# KiCad board AMLDC-2044B.kicad_pcb (continued)
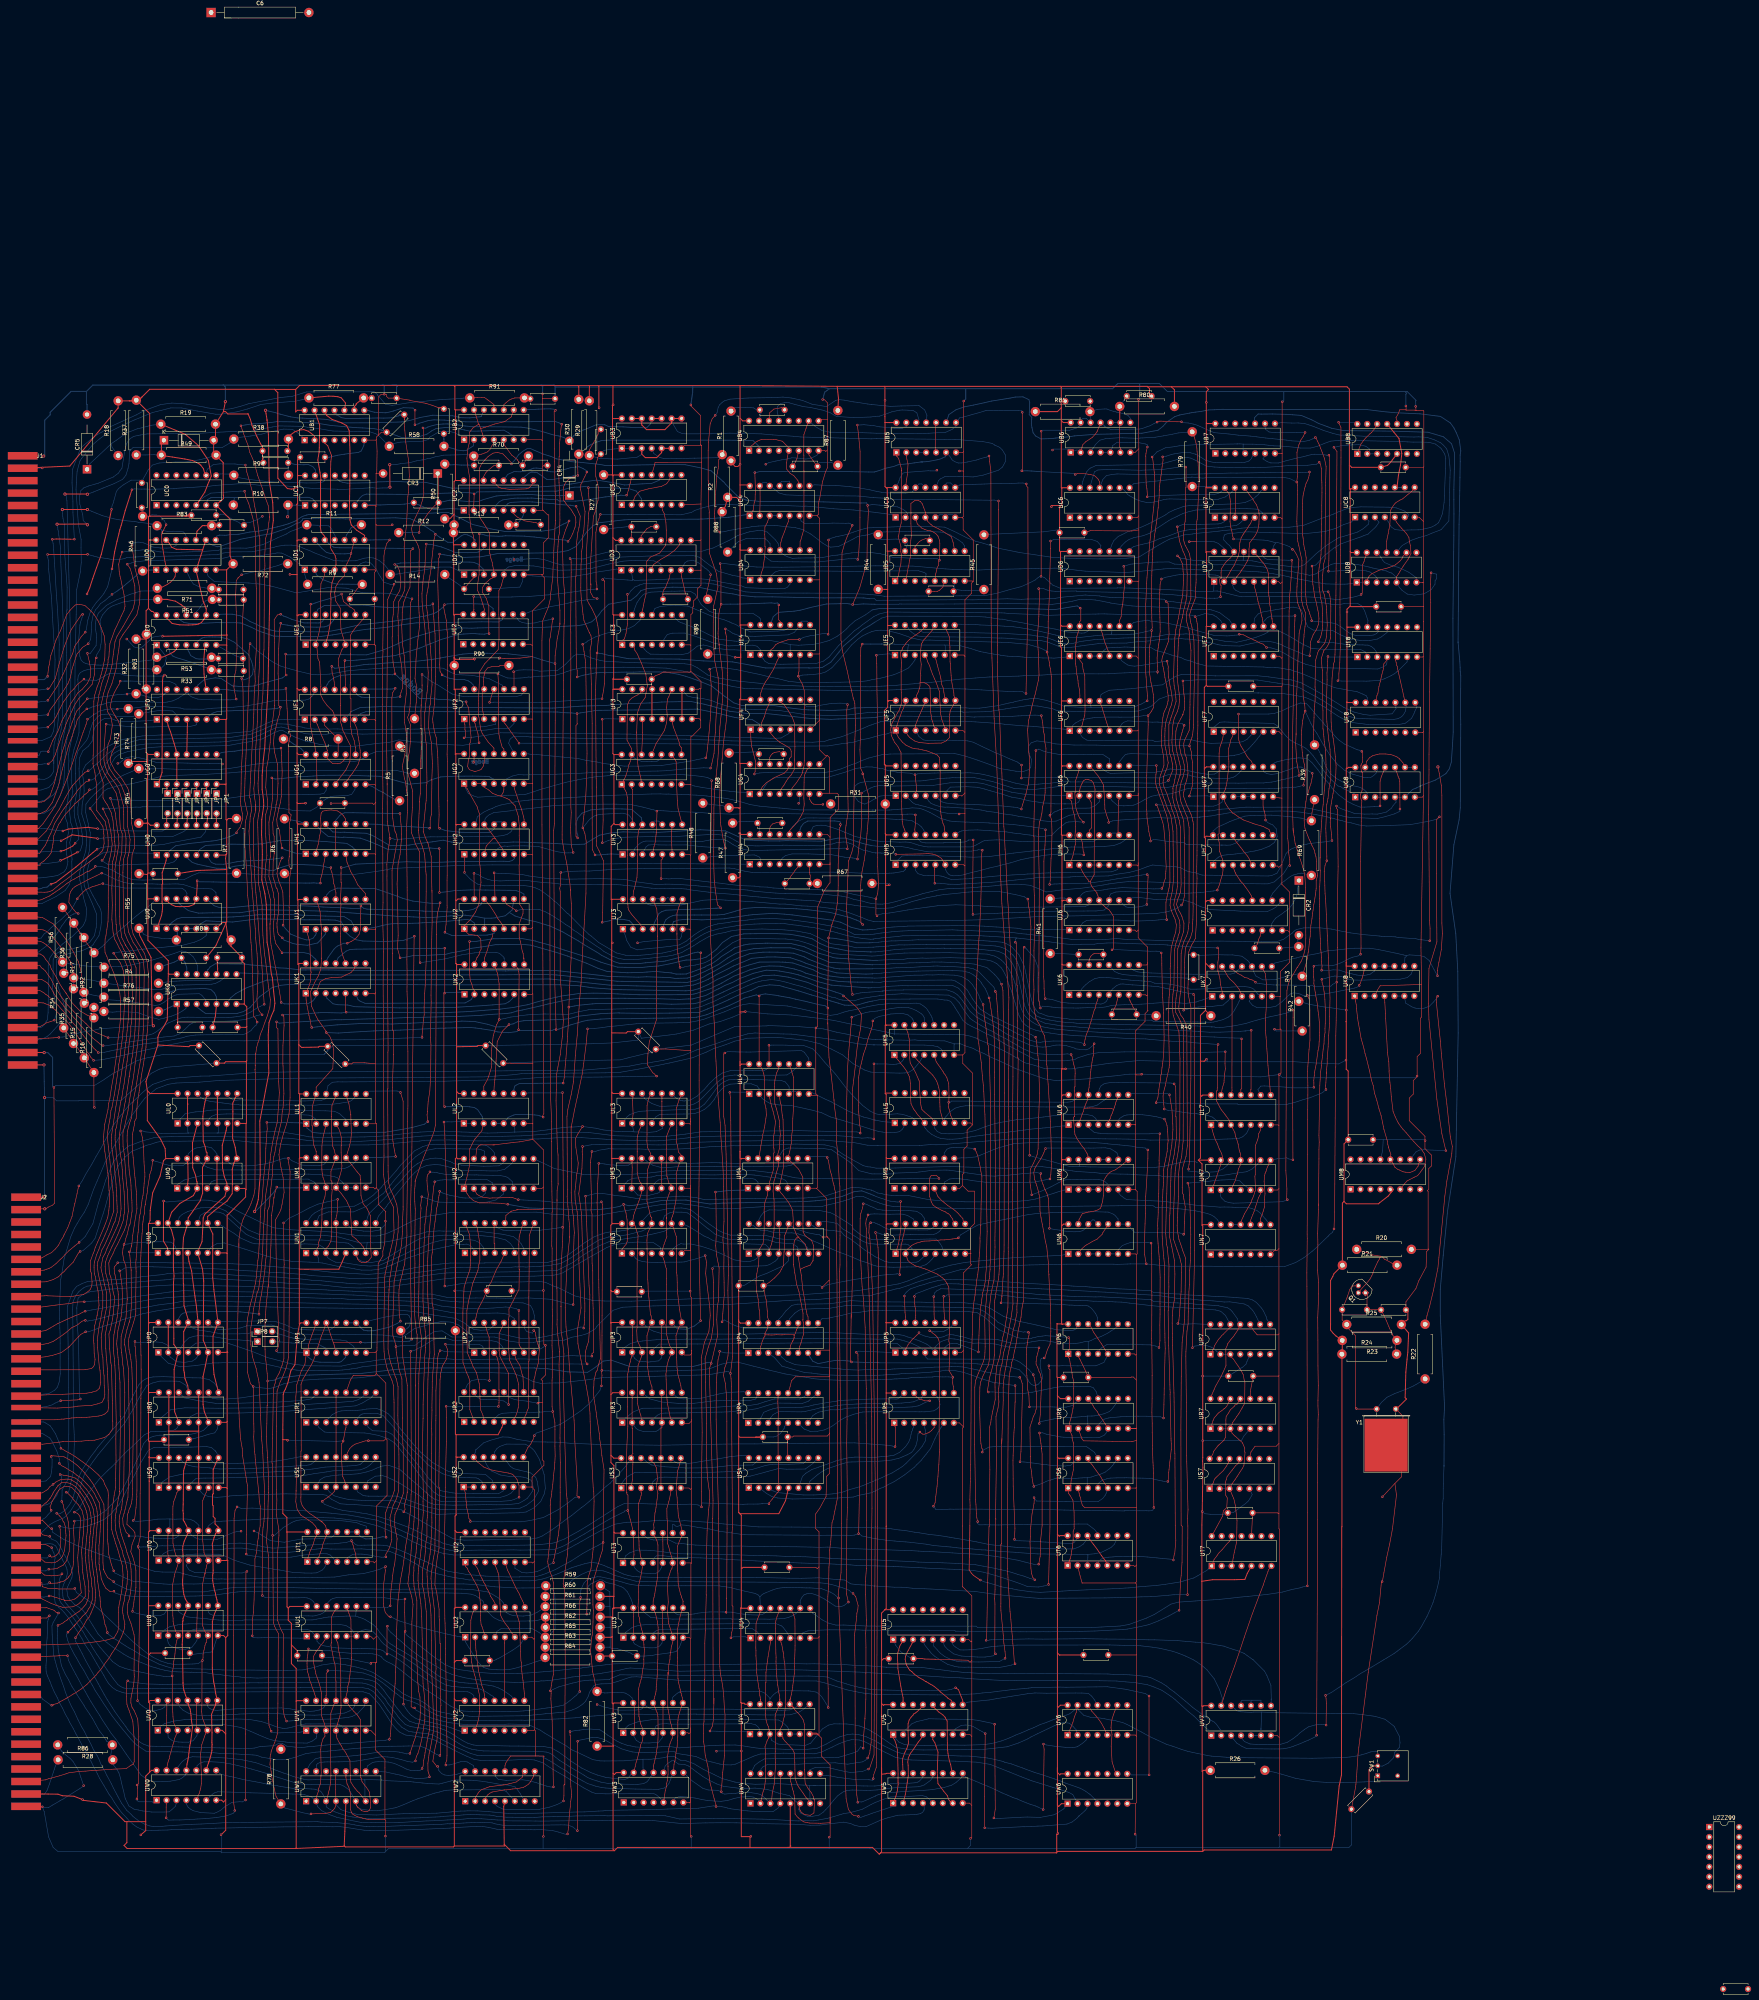
[diagram p0: board, top side]
## Routing (per net, layer and track width the routed paths; a pad name or vN(x,y) marks a point on that pad's centre or on a via; arc(x,y) is an arc through that point) (continued)
G6p1: length 110.8
  Top w0.15: v1(289.07,288.37) 289.29,290.25 289.48,292.19 289.85,294.08 290.15,298.4 290.11,300.55 290.15,304.05 290.08,304.92 v1(290.09,305.25) ; UG6.1 343.19,303.73 343.74,303.17 343.99,301.38 344.24,300.29 344.5,299.64 344.73,297.66 344.72,296.69 344.72,295.53 344.62,294.38 344.68,293.52 344.83,292.84 344.7,292.12 344.53,291.34 344.42,290.73 344.27,289.99 344.1,289.29 343.82,288.37 UH6.1
  Bottom w0.15: v1(290.09,305.25) 290.83,305.73 291.5,306.06 292.44,306.54 293.33,306.9 ; v1(289.07,288.37) 289.07,288.44 287.83,288.66 285.75,288.87 282.42,289.5 276.55,289.69 272.31,289.69 270.64,289.26 269.96,288.73 269.46,288.17 UH4.4 ; 293.33,306.9 293.43,306.94 ; 293.33,306.9 294.8,307.18 296.4,306.99 308.45,307.21 312.65,307.85 318.65,307.98 320.97,307.71 323.93,306.83 325.66,306.22 326.7,305.95 328.35,305.47 331.69,304.94 334.33,304.75 339.07,304.67 UG6.1
G6p3: length 10.5
  Top w0.15: UG6.3 348.27,303.77 348.76,302.87 348.87,296.36 348.26,295.75 UH6.12
G6p6: length 13.3
  Top w0.15: UH6.9 355.61,295.51 355.74,302.65 355.74,303.39 355.89,303.54 UG6.6
  Bottom w0.15: UH6.10 354.08,295.02 355.56,295.03 355.88,294.71 UH6.9
G6p8: length 71
  Top w0.15: v1(368.06,272.91) 367.97,273.65 367.92,274.06 367.86,274.78 367.87,277.38 368.13,278.74 368.47,280.23 368.62,280.87 368.83,281.84 368.89,282.57 368.81,294.36 368.52,297.01 368.08,299.43 367.45,301.12 366.87,302.92 366.47,303.89 365.79,305.9 365.53,306.53 365.28,307.53 365.23,308.26 365.3,309.99 365.52,311.26 v1(365.41,312.28)
  Bottom w0.15: v1(365.41,312.28) 359.33,312.34 359.12,312.56 358.73,312.17 UG6.8 ; v1(368.06,272.91) 366.68,272.91 366.03,272.84 364.31,272.68 360.19,272.55 359.63,272.61 358.86,272.56 355.78,272.79 355.12,272.8 349.28,272.8 348.77,272.78 347.56,272.69 346.55,272.05 346.11,271.36 UJ6.2
G6p9: length 41.8
  Bottom w0.15: 375.63,314.83 375.08,314.89 359.2,315.3 358.95,315.3 358.02,315.21 357.44,315.02 356.72,314.21 355.89,313.14 UG6.9 ; 375.63,314.83 376.08,314.78 ; 375.63,314.83 381.58,314.63 383.37,314.63 384.24,314.75 384.72,314.75 385.28,314.89 ; 385.28,314.89 386.48,315.09 388.15,315.82 389.02,316.57 390.03,317.69 390.56,318.26 391.17,319.03 391.32,319.25 391.69,319.68 392.07,320.19 UF7.6 ; 385.28,314.89 385.38,314.89
G6p10: length 160.3
  Top w0.15: v1(338.22,206.68) 338.45,207.85 338.6,210.44 338.6,211.76 338.58,213.26 338.5,216.61 338.32,221.28 338.17,224.19 337.76,230.92 337.59,232.99 337.48,235.28 337.4,235.9 337.22,240.28 337.07,241.42 336.84,243.21 336.06,244.72 335.74,245.77 334.66,247.59 334.21,249.83 334.01,251.73 334.14,255.05 334.08,257.5 334.16,262.57 334.14,264.92 334.31,270.76 334.23,270.85 334.23,279.06 334.16,280.68 334.16,294.07 334.11,294.12 334.11,295.98 334.14,297.97 334.4,308.86 334.46,311.66 v1(334.63,316.11)
  Bottom w0.15: UG6.10 353.45,313.98 352.55,314.56 351.78,315.06 349.31,315.06 348.77,315.05 346.8,315.03 341.61,315.06 340.77,315.06 338.57,315.47 337.66,315.66 336.48,315.97 335.4,316.47 335.21,316.34 v1(334.63,316.11) ; UM5.6 311.3,205.89 312.59,206.67 313.68,206.78 314.33,206.81 317.07,206.49 318.31,206.27 321.7,205.84 326.71,205.81 330.27,205.79 332.39,205.81 334.25,205.88 335.17,206.08 v1(338.22,206.68)
G6p11: length 35.9
  Bottom w0.15: UG7.12 UG7.13 381.69,311.02 381.03,310.52 380.28,310.08 378.74,310.02 377.74,310.13 375.49,310.53 374.93,310.63 372.61,311.19 371.04,311.31 369.79,311.29 368.94,311.4 367.47,310.92 365.72,310.68 364.9,310.51 359.94,310.44 354.81,310.31 353.75,310.26 353.17,310.43 352.68,310.67 352.3,310.92 351.67,311.4 351.09,312.17 UG6.11
G6p12: length 198.3
  Top w0.15: v1(437.75,299.17) 436.97,298.39 436.97,284.75 437.1,267.22 435.06,260.49 434.94,251.6 435.06,247.41 437.1,226.96 438.37,218.2 v1(439.38,213.92) ; 353.27,297.67 353.24,297.7 v1(353.24,297.73) 353.21,297.73 353.24,298.31 352.95,298.85 352.7,299.64 352.26,301.13 352.23,302.24 352.2,303.29 351.93,306.99 351.92,307.29 351.34,308.34 351.04,308.8 350.6,309.53 349.65,310.68 349.3,311.15 UG6.12
  Bottom w0.15: 376.39,299.08 376.63,299.12 ; 376.39,299.08 378.5,299.31 379.37,299.38 381.07,299.71 382.62,299.93 384.88,300.35 386.5,300.44 391.64,300.59 392.32,300.57 397.05,300.65 398.03,300.64 399.66,300.6 402.65,300.31 404.19,300.07 406.25,299.71 407.01,299.57 409.07,299.15 410.87,298.69 412.58,298.21 412.95,298.16 413.71,297.9 415.19,297.62 417.07,297.11 419.05,296.82 425.24,296.97 430.27,297.17 435.13,298.07 435.78,298.21 437.03,298.58 v1(437.75,299.17) 437.66,299.21 ; 376.39,299.08 372.99,298.85 370.22,298.95 369.53,298.84 368.61,298.87 367.66,298.88 365.58,298.98 363.57,298.83 361.1,298.63 359.88,298.57 356.22,298.35 355.24,298.22 354.26,298.13 353.74,297.95 v1(353.24,297.73) ; 439.42,213.92 v1(439.38,213.92) 434.45,214.1 433.86,214.18 432.58,214.05 431.74,213.57 431.23,212.92 UM8.10
G7p3: length 5.1
  Bottom w0.15: UG7.3 UG7.4 UG7.5
G7p8: length 43.8
  Top w0.15: 422.67,301.82 422.57,301.92 v1(422.57,301.95) 422.57,308.2 422.87,309.36 UG8.11
  Bottom w0.15: UG7.8 395.22,312.59 395.57,312.91 396.09,313.17 397.02,313.42 398.25,313.71 400.67,314.11 401.81,314.23 403.94,314.04 405.16,313.02 405.9,312.14 406.71,311.14 408.2,309.12 409.92,307.16 410.34,306.4 411.99,304.76 414.33,303.07 415.78,302.32 417.46,301.66 418.64,301.65 421.06,301.75 421.11,301.8 422.43,301.8 v1(422.57,301.95)
G7p9: length 99.1
  Top w0.15: R42.2 403.15,258.92 403.08,259.72 403.43,260.87 403.57,261.3 404.01,263.1 404.19,264.53 404.27,264.69 404.33,265.27 404.52,267.22 404.6,267.83 404.72,268.69 404.78,269.95 404.89,271.47 405.18,273.18 405.33,274.58 405.46,275.35 405.64,276.74 405.79,277.57 405.92,278.43 406.09,279.45 406.18,280.31 406.25,280.88 406.25,282.9 406.6,284.15 406.33,286.06 406.37,287.7 406.18,289.01 405.97,289.71 405.8,290.48 405.68,290.89 405.12,291.96 404.77,292.81 404.48,293.36 404.23,293.98 404.08,294.38 403.42,296.1 403.26,296.92 403.18,298.27 403.25,300.04 403.63,303.07 403.87,304.52 404.17,305.29 404.56,306.66 404.93,307.77 405.14,308.78 405.29,309.55 v1(405.26,310.29) 405.29,310.25
  Bottom w0.15: R42.2 402.01,259.11 399.86,258.77 395.76,257.58 392.65,257.53 390.87,258.5 390.47,259.18 UK7.10 389.12,262.04 388.79,262.42 387.27,263.56 384.93,263.9 383.69,263.89 380.85,263.95 376.4,263.79 C48.1 ; UG7.9 392.78,310.69 393.64,310.22 394.75,309.98 396.24,310.19 397.82,310.73 399.84,311.41 401.23,311.89 402.4,311.89 404.65,310.73 v1(405.26,310.29)
G7p10: length 164.1
  Top w0.15: v1(417.59,264.07) 417.71,265.75 417.57,287.77 417.63,289.14 417.76,297.06 417.76,297.95 417.85,302.06 417.92,303.23 417.69,303.72 417.53,304.75 417.99,306.01 418.1,310.4 417.79,310.79 417.65,312.27 417.74,312.36 417.74,312.53 418.14,313.21 418.04,314.33 418.03,315.77 v1(417.92,315.89) ; v1(405.66,260.99) 405.54,260.18 405.61,259.74 405.61,258.33 405.62,258.09 405.7,257.4 405.65,256.68 405.74,256.07 406.02,254.32 406.16,253.39 406.39,252.36 406.59,250.98 406.72,249.57 406.88,248.72 407.05,246.77 407.15,244.04 407.15,243.38 407.01,241.69 406.96,240.59 406.72,239.42 406.24,236.02 406.06,235.1 405.83,233.9 405.76,233.01 405.63,231.83 405.66,231.2 v1(405.66,230.08) ; UG7.10 389.93,312.78 389.71,313.36 389.11,313.94 388.7,314.46 388.54,314.7 387.51,316.47 387.03,317.25 386.77,317.79 386.47,318.79 386.45,319.3 386.45,325.38 v1(386.42,325.42) 386.45,325.45 386.45,325.53
  Bottom w0.15: v1(417.92,315.89) 417.26,316.2 416.69,316.31 415.84,316.71 413.5,317.74 412.13,318.7 411.87,318.95 411.41,319.38 408.9,322.21 408.44,322.65 408.15,323.09 406.08,325.42 405.28,326.42 403.82,328.04 402.24,328.24 400.75,327.69 399.24,327.1 397.57,326.27 395.59,325.58 394.07,325.42 v1(386.42,325.42) ; v1(405.66,260.99) 405.66,261.06 406.19,261.16 ; UL7.9 391.36,229.5 391.7,229.91 392.07,230.38 392.99,230.43 396.96,230.23 398.76,230.11 399.25,230.01 399.91,229.95 403.54,229.95 403.93,229.96 v1(405.66,230.08) ; v1(417.59,264.07) 416.94,263.63 415.48,263.29 414.4,262.82 412.79,261.97 411.34,261.41 410.49,261.19 409.26,261.28 406.89,261.3 406.37,261.21 406.11,261.14
G8p3: length 2.5
  Bottom w0.15: UG8.3 UG8.4
G8p9: length 16.1
  Top w0.15: UG8.9 428.4,312.98 427.59,313.91 427.59,313.96 426.88,314.47 426,314.84 425.31,315.07 423.92,315.22 422.48,315.22 421.86,315.1 420.68,314.77 419.88,314.26 419.27,313.5 419.15,313.26 UG8.13
  Bottom w0.15: UG8.9 UG8.8
H0p5: length 43.6
  Bottom w0.2: UH0.5 120.93,290.79 122.46,291.86 126.46,292.09 129.22,292.18 134.22,292.11 136.65,292.25 141.65,293.13 147.39,293.16 153.23,292.83 158.58,292.37 159.96,291.49 160.77,290.67 160.52,289.98 UH1.6
H0p6: length 50
  Top w0.15: v1(142.27,271.47) 142.42,273.8 142.21,279.91 141.81,281.2 141.14,282.9 140.71,284.71 140.87,285.63 141.6,287.9 v1(142.07,288.72)
  Bottom w0.2: 150.48,268.88 150.5,268.88 ; 150.48,268.88 150.72,269.31 UJ1.2 ; 150.48,268.88 150.27,268.58 149.93,268.16 148.85,267.74 148.21,267.74 146.6,268.22 144.21,269.22 142.86,270.63 v1(142.27,271.47) ; v1(142.07,288.72) 140.84,288.48 139.47,288.35 138.74,288.27 136.23,288.05 134.52,287.97 132.04,287.91 130.38,287.68 128.24,287.23 127.05,287.06 125,287.08 123.96,287.51 UH0.6
H0p8: length 3
  Top w0.25: UH0.8 125.23,299.95 JP1.2
H0p10: length 3
  Top w0.25: JP3.2 120.15,299.87 UH0.10
H0p12: length 3
  Top w0.25: JP5.2 115.27,299.99 115.27,298.91 UH0.12
H1p5: length 13
  Top w0.15: UJ1.8 163.33,279.56 161.36,281.79 160.73,283.13 160.35,283.8 159.57,285.14 158.6,287.61 UH1.5
H1p11: length 329.6
  Top w0.15: 172.53,293.52 172.17,289.6 171.66,287.07 171.41,282.02 171.51,279.2 171.68,268.9 171.49,265.61 v1(172.18,263.16) ; UM7.3 385.17,205.39 385.63,206.36 385.88,207.45 386.08,207.85 386.41,209.31 386.8,210.06 UM7.11 386.95,213.01 386.78,213.46 386.61,213.92 386.32,215.56 385.91,216.92 385.66,217.5 385.47,218.52 UL7.3 384.23,220.71 384.06,221.65 383.23,222.75 382.96,223.16 381.97,224.4 381.62,225.04 380.77,226.64 380.77,229.12 380.97,229.32 380.97,229.9 381.05,229.98 381.05,240.99 381.09,241.03 v1(381.19,241.03) 381.19,241.13 381.12,241.06 ; 172.52,293.31 172.58,294.78 172.41,297.24 v1(172.14,300.03) ; UH1.11 UH1.4
  Bottom w0.15: 340.56,243.62 340.54,243.61 ; 340.54,243.61 338.42,243.92 336.51,244.23 334.53,244.69 333.24,245.18 331.91,246.02 331.06,246.98 330.3,248.46 329.88,249.65 329.32,251.63 328.88,253.02 328.41,254.69 327.8,256.12 327.21,258.05 326.35,259.74 326.17,260.04 325.74,260.65 324.64,261.67 323.38,262.31 322.36,262.55 320.66,262.81 319.18,262.96 317.24,263.05 312.82,263.19 306.56,263.06 305.59,263.1 302.47,262.97 301.75,262.92 300.82,262.78 298.05,262.71 296.88,262.66 293.84,262.52 ; 340.54,243.61 341.02,243.55 342.56,243.48 344.12,243.31 346.18,243.22 352.86,242.83 355.36,242.73 359.06,242.51 360.17,242.48 362.67,242.45 363.71,242.33 370.58,241.74 371.78,241.76 373.71,241.64 374.58,241.57 375.3,241.44 v1(381.19,241.03)
  Bottom w0.2: 294.09,262.52 292.94,262.5 283.81,263.08 282.84,263.21 282.18,263.48 279.24,264.32 277.8,264.92 275.41,266 273.27,266.51 272.07,266.79 266.07,266.9 265.61,266.9 261.35,266.67 260.01,266.44 257.64,265.68 256.81,265.08 254.3,263.5 253.08,262.51 251.88,261.7 250.24,260.96 250.03,260.77 248.65,260.26 246.89,259.58 245.61,259.17 245.32,259.02 244.43,259.01 243.8,259 242.71,259 241.44,259.31 239.58,259.47 237.43,259.69 235.26,259.52 233.87,259.42 230.2,259.34 225.08,259.67 222.75,260.48 219.76,261.79 218.04,262.44 214.92,263.62 212.12,264.53 208.81,265.47 205.58,266.39 203.48,266.59 196.52,266.51 194.41,266.15 190.06,265.53 188.68,265.05 185.23,264.43 183.85,264.06 178.55,263.76 177.77,263.77 177.56,263.74 175.41,263.71 173.85,263.36 172.22,263.11 v1(172.18,263.16) ; 169.43,300.05 169.45,300.03 v1(172.14,300.03) ; UH1.11 155.71,298.24 156.74,299.47 157.11,299.77 157.56,300.03 158.07,300.21 160.14,300.21 170.14,300.03 168.47,300.02
H1p12: length 310.7
  Top w0.15: v1(320.94,290.66) 320.67,289.02 320.68,282.05 320.65,281 320.57,277.99 320.51,275.83 320.24,270.49 320.14,268.76 320.08,268.08 319.91,265.54 319.55,258.71 319.4,256.23 319.4,251.46 319.82,244.25 319.82,242.46 320.04,241.3 320.18,240.03 320.68,236.32 320.94,233.07 321.2,230.63 321.31,228.98 321.43,226.37 321.48,225.05 321.61,223.05 321.87,209.83 322.17,193.21 322.01,186.94 321.98,184.03 321.67,180.44 321.47,179.17 321.06,177.69 320.94,176.81 320.81,176 320.76,175.11 320.57,174.31 320.24,170.83 320.09,166.78 v1(319.94,162.49)
  Bottom w0.15: UP5.6 311.28,162.48 311.37,163.67 312.34,164.46 313.35,164.72 314.4,164.69 314.94,164.43 317.06,163.65 318.6,163.09 v1(319.94,162.49) ; v1(320.94,290.66) 319.98,290.78 319.72,290.67 318.76,290.5 318.24,290.41 313.94,290.27 311.51,290.31 308,290.2 306.78,290.27 303.19,290.97 301.78,291.34 300.27,291.56 299.11,291.54 297.95,291.61 297.4,291.56 295.52,291.62 295.05,291.63 294.32,291.64 292.74,291.79
  Bottom w0.2: 292.74,291.79 290.48,292.33 289.1,292.79 285.98,293.73 284.05,293.72 279.85,292.95 270.84,293.08 269.13,293.01 266.35,293.01 260.46,293.26 255.31,295.57 248.92,295.86 246.74,295.71 238.17,295.2 236.93,295.28 233.04,295.22 229.15,295.32 225.91,295.05 223.09,294.46 219.3,292.19 216.66,292.09 215.88,292.13 211.62,292.36 203.91,292.69 201.09,292.73 197.01,292.48 193.47,292.42 189.35,292.34 185.33,292.71 183.17,293.2 180.49,292.79 175.83,292.19 174.49,291.94 173.22,291.86 169.61,291.8 165.06,294.42 163.51,294.97 159.98,295.1 157.93,295.24 156.92,295.2 154.99,295.3 153.71,296.48 UH1.12
H1p13: length 67.9
  Top w0.15: v1(182.24,279.84) 182.24,291.01 v1(182.17,291.08)
  Bottom w0.2: v1(182.17,291.08) 182.04,291.08 181.45,291.05 179.88,291.21 177.33,290.99 172.85,290.83 168.96,290.88 166.31,292.09 163.85,293.08 162,293.73 157.75,293.98 157.51,293.9 156.48,293.96 153.82,294.15 151.77,295.8 151.29,296.45 UH1.13 ; UJ2.8 203.82,279.44 202.65,280.08 201.94,280.28 201.74,280.37 193.96,280.46 190.2,280.5 186.13,280.33 184.33,280.05 v1(182.24,279.84)
H2p1: length 427
  Top w0.15: 326.83,84.23 326.8,84.25 v1(326.76,84.25) 326.76,84.3 326.84,84.81 326.75,85.92 326.46,88.09 326.31,89.35 326.32,89.97 325.7,96.41 325.67,97.5 325.69,98.23 325.69,113.34 325.84,113.49 ; 325.85,113.48 325.84,113.49 ; 325.84,113.49 325.84,139.13 325.95,140.3 ; 325.91,139.19 325.95,140.3 ; 325.95,140.3 326.29,150.09 326.27,153.42 326.36,154.71 326.52,156.02 326.82,158.07 327,158.77 327.41,161.22 327.76,162.97 327.96,163.97 328.51,166.08 328.75,167.71 328.96,168.56 329.27,169.6 329.42,170.66 329.81,172.51 329.78,173.31 329.78,174.08 329.88,175.59 329.97,190.27 330.01,195.74 329.97,209.82 330.01,214.27 329.94,223.04 329.95,224.64 330.1,237.57 329.97,237.7 329.97,246.98 329.87,247.08 329.87,256.1 329.78,256.2 329.78,261.77 329.71,262.84 329.62,266.9 v1(329.38,267.14) ; 188.58,284.93 188.58,284.94 v1(188.63,284.99) 188.58,285.03 UH2.1 ; UK7.2 382.22,253.78 382.26,254.4 382.07,255.25 381.79,256.42 381.67,257.76 381.13,259.92 381.13,262.05 381.32,263.3 381.25,265.5 v1(381.06,265.69)
  Bottom w0.15: 329.55,268.24 330.61,268.13 333.46,267.81 334.69,267.62 337.8,267.32 338.1,267.23 341.7,266.74 343.96,266.53 345.95,266.59 346.38,266.63 349.54,266.63 350.28,266.76 352.79,266.94 354.47,266.97 357.72,266.84 359.22,266.78 361.74,266.71 362.84,266.65 365.15,266.58 366.21,266.57 368.22,266.44 368.24,266.42 375.34,265.83 v1(381.06,265.69) ; 329.55,268.24 327.88,268.35 327.6,268.34 327.35,268.36 322.84,268.67 321.36,268.74 319.74,268.88 319.71,268.91 318.11,268.91 316.68,268.9 300.64,268.78 299.43,268.62 297.34,268.42 295.18,268.25 294.77,268.17 293.55,268.04 293.08,267.94 ; 329.55,268.24 329.64,268.15 329.4,267.9 329.4,267.72 v1(329.38,267.14) ; v1(326.76,84.25) 325.3,83.44 320.05,83.31 318.07,83.34 315.67,83.35 314.84,83.44 314.31,83.54 313.13,83.87 311.39,84.65 310.17,85.58 309.44,86.39 308.54,87.38 UU5.5 ; v1(188.63,284.99) 188.63,284.82 189.89,283.49 190.3,283.12 190.71,282.8 191.94,282 193.67,281.55 195.01,281.56 202.23,281.65 202.42,281.67 203.8,281.62 205.58,281.38 206.79,281.01 207.8,280.57 208.79,279.93 210.09,278.94 211.16,278.09 211.67,277.59 212.14,277.27 214.89,274.51 215.08,274.43 215.57,273.98 219.38,270.13 220.38,269.18 221.01,268.71 222.92,267.07 227.39,264.42 229.82,263.81 231.16,263.73 232.8,263.79 233.63,263.82 235.69,263.99 236.81,264.15 239.23,264.37 240,264.56 241.26,264.81 244.27,265.78 245.58,266.45 246.84,267.42 247.75,268.01 249.05,268.83 249.98,269.36 251.16,269.88 253.4,270.5 255.26,270.88 257.75,271.28 258.22,271.38 260.39,271.58 262.68,271.78 263.93,271.81 268.17,271.97 269.37,271.96 270.52,271.87 272.34,271.61 274.04,271.43 276.51,271.04 277.94,270.87 280.78,270.23 282.5,269.92 283.99,269.51 285.95,268.96 288.24,268.44 290.35,268.08 292.43,267.9 293.08,267.94 ; 293.08,267.94 293.14,267.95
H2p4: length 225.2
  Top w0.15: UD5.5 309,360.64 309.03,361.16 309.03,361.18 309.25,362.05 309.36,362.66 309.71,363.38 309.79,364.39 v1(310,364.71) 310.02,364.74 310.09,369.03 310,369.79 309.62,370.86 309,371.54 308.22,371.99 307.76,372.2 306.94,372.32 306.26,372.55 305.48,372.9 304.32,373.98 304.11,374.79 UC5.3 ; v1(215.6,365.12) 215.88,364.84 215.88,364.11 215.89,361.58 215.74,347.11 215.79,346.39 215.78,343.58 215.81,336.76 215.7,327.5 215.7,315.85 215.71,315.73 215.81,301.66 215.9,300.29 215.75,296.42 215.78,295.05 215.92,291.8 v1(216.39,290.07) ; UC4.5 271.35,374.51 270.9,373.42 270.39,371.96 269.77,370.4 269.45,369.17 UD4.11
  Bottom w0.15: UH2.4 196.63,290.49 197.18,291.08 197.64,291.35 198.75,291.71 199.61,291.65 ; 199.61,291.65 201.11,291.74 202.39,291.75 204.05,291.76 207.48,291.6 209.39,291.05 212.19,290.29 213.59,290.05 214.4,289.95 215.2,289.96 215.68,289.96 v1(216.39,290.07) ; 199.61,291.65 199.69,291.65 ; v1(215.6,365.12) 216.37,365.12 216.54,365.1 216.95,365.06 219.07,365.03 222.21,366.03 224.75,366.66 225.81,366.89 249.21,366.97 250.66,367.42 252.09,367.8 254.02,368.72 256.26,369.78 258.35,370.97 260.69,371.74 261.5,371.96 263.53,372.28 264.72,372.3 265.99,371.9 268.02,369.97 268.73,369.03 268.89,368.56 UD4.11 269.71,366.41 269.96,366.29 270.53,365.89 271.18,365.57 272.41,365.19 274.07,365.27 277.17,365.28 280.15,365.41 282.66,365.9 283.93,366.01 286.12,366.35 287.53,366.57 288.8,366.67 292.78,366.64 294.94,366.35 295.88,366.11 297.36,365.66 298.06,365.46 304.51,365.14 305.09,365.18 308.6,365.11 309.17,365.08 309.53,365.06 v1(310,364.71)
H2p9: length 309.5
  Top w0.15: 170.09,184.77 169.52,181.04 169.47,179.7 169.32,178.26 ; 170.05,184.48 170.8,187.78 171.27,190.19 171.66,193.16 171.71,196.98 171.33,200.12 170.58,202.15 169.64,204.13 169.24,205.71 169.11,208.54 169.11,210.11 168.99,229.65 169.06,229.71 169.06,239.05 169.11,239.4 168.96,260.26 168.93,260.29 168.82,284.04 168.83,285.46 168.79,287.05 169.14,290.95 169.3,291.75 v1(169.61,293.65) 169.44,294.66 168.89,298.04 168.87,307.69 ; v1(168.53,110.16) 168.53,110.81 169.32,112.16 169.76,113.4 170.06,114.67 169.87,117.57 169.78,118.21 169.59,120.17 170.41,123.32 170.83,124.12 171.11,124.69 171.42,125.53 171.81,127.17 171.9,133.23 171.87,136.31 171.66,144.19 171.61,146.25 171.65,153.61 171.21,155.61 170.91,156.31 169.85,159.49 169.55,160.59 169.09,163.23 169.15,168.07 169.12,169.44 169.15,173.38 169.27,176.56 169.36,178.47 ; 168.87,307.36 168.67,322.38 168.84,331.67 168.93,346.07 168.93,347.48 169.02,352.39 169.02,354.71 169.92,356.81 170.12,357.28 v1(170.62,358.58)
  Bottom w0.15: UH2.9 201.28,296.56 200.49,295.33 199.57,294.72 198.52,294.39 196.48,294.15 194.82,294.22 181.67,294.04 179.98,294.06 175.54,293.75 174.26,293.61 171.46,293.4 170.89,293.4 170.66,293.46 170.14,293.65 v1(169.61,293.65) ; v1(170.62,358.58) 169.8,358.5 168.04,359.08 167.45,359.96 167.1,360.56 166.66,361.26 166.15,362.31 164.99,363.68 164.49,364.09 163.4,364.27 162.84,364.15 162.03,363.77 UD1.6 ; v1(168.53,110.16) 167.96,110.08 167.46,110.08 166.21,110.24 164.92,110.53 163.11,110.81 162.66,110.85 162.39,110.86 161.56,110.86 160.89,110.89 159.99,110.74 158.77,110 UT1.5
H2p12: length 285.6
  Top w0.15: UH2.5 198.38,291 197.71,291.84 197.27,292.57 196.51,293.59 ; 303.86,299.73 303.86,299.68 v1(303.83,299.65) 303.86,299.63 303.86,297.53 ; 237.78,300.66 v1(237.78,300.62) 237.82,300.62 237.66,295.26 237.59,294.72 237.41,292.87 237.05,291.52 UH3.4 ; UF7.2 382.43,319.55 382.25,318.8 382.13,318.3 381.75,317.36 381.64,316.85 381.45,315.38 381.45,294.9 381.14,294.59 381.31,293.42 381.48,292.5 381.58,290.34 382.32,288.3 382.46,287.48 v1(382.48,286.9) 382.32,286.6 382.45,285.6 382.33,284.54 381.85,283.04 381.55,281.87 381.4,281.5 381.12,280.81 380.94,280.55 380.99,280.5 v1(380.99,280.45) 381.04,280.45 381.07,280.43 ; v1(318.62,293.25) 318.43,276.32 v1(318.55,274.25) ; 196.51,293.59 195.9,293.59 194.18,291.71 UH2.3 ; 196.51,293.59 196.17,294.07 195.19,295.43 193.66,297.21 UH2.12 ; UH5.12 303.72,295.55 303.69,295.94 303.86,297.57
  Bottom w0.15: v1(318.62,293.25) 317.46,293.25 317.31,293.09 316.77,292.86 316.45,292.75 315.54,292.69 315.11,292.65 314.19,292.57 311.4,292.57 311.03,292.53 310.98,292.5 306.4,292.5 305.27,292.75 304.76,293.25 UH5.12 ; 376.64,279.8 374.37,279.71 370.81,279.51 365.94,279.59 365.81,279.62 364.68,279.62 363.44,279.79 361.2,279.98 357.58,280.12 355.07,279.97 353.89,279.54 353.76,279.47 353.48,278.99 UJ6.10 353.16,276.41 352.07,275.35 349.99,275.12 347.93,275.12 346.88,275.11 343.35,275.08 342.74,275.09 342.64,275.09 341.06,275.09 341.05,275.1 337.29,274.99 334.61,274.98 333.92,274.96 333.39,274.89 331.62,274.79 330.43,274.76 329.2,274.72 328.62,274.66 327.5,274.69 324.87,274.54 324.05,274.48 321.34,274.4 320.37,274.4 v1(318.55,274.25) ; 376.64,279.8 379.23,280.16 379.91,280.22 380.08,280.25 380.46,280.31 v1(380.99,280.45) ; 376.64,279.8 376.77,279.81 ; UH2.12 193.89,298.62 194.19,299.07 194.94,299.69 196.1,300.23 200.33,300.7 201.69,300.97 204.56,301.2 206.01,301.35 210.55,301.93 211.89,302.07 217.6,302.31 218.46,302.36 226.81,302.41 227.06,302.41 227.55,302.4 231.22,302.28 234.39,301.61 236.3,301.1 237,300.96 v1(237.78,300.62) 238.2,300.82 238.83,300.72 239.41,300.71 241.56,300.57 242.73,300.54 248.38,300.31 251.36,300.06 257.28,299.85 260.12,299.95 266.67,299.95 270.24,299.98 292.83,299.67 294.03,299.72 300.02,299.72 300.03,299.71 300.61,299.75 301.84,299.85 ; v1(303.83,299.65) 303,299.87 301.71,299.85
H3p2: length 107.3
  Top w0.15: v1(286.5,327.83) 286.3,326.31 286.39,317.97 286.66,300.5 286.12,297.01 285.87,295.16 286.44,291.68 v1(286.44,290.99)